# KiCad board Soft_Power_Switch_panelized.kicad_pcb (continued)
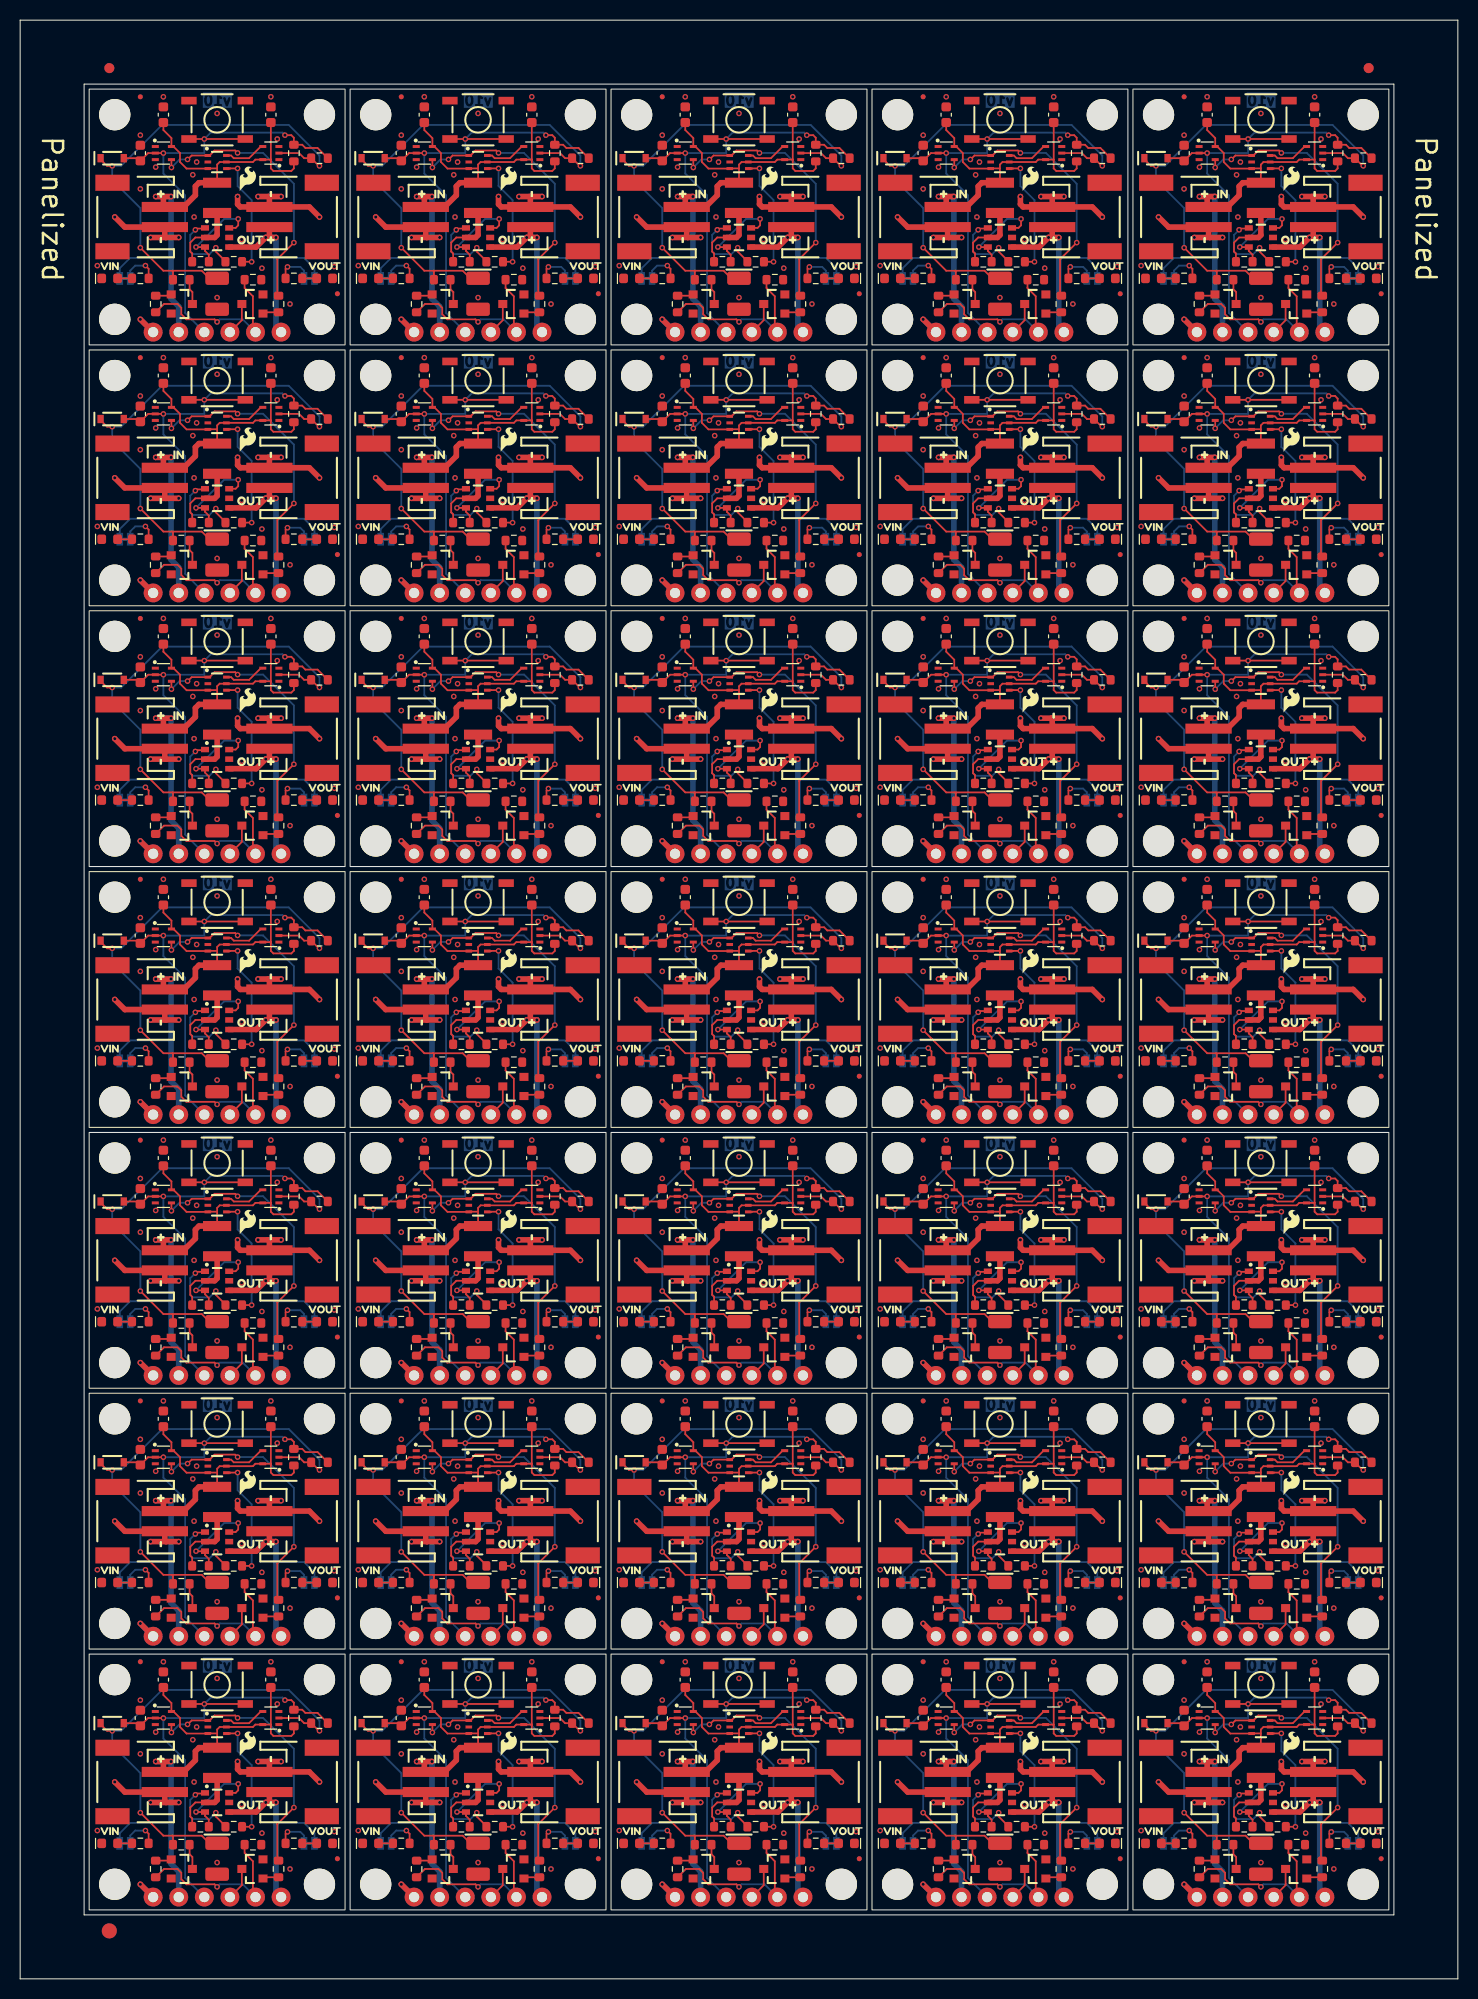
[diagram p0: board, top side]
## Routing (per net, layer and track width the routed paths; a pad name or vN(x,y) marks a point on that pad's centre or on a via; arc(x,y) is an arc through that point) (continued)
BTN: length 1709.9
  Top w0.178: v1(40.12,129.5) U2#35.2 38.6,129.5 C1#26.1 37.56,128.99 D1#4.A ; v1(14.22,129.5) U2#33.2 12.7,129.5 C1#28.1 11.66,128.99 D1#12.A ; v1(52.18,157.18) 52.82,157.18 53.07,156.92 R1#34.2 53.9,156.22 54.21,155.91 55.42,155.91 R2#6.2 ; R2#35.2 29.52,181.81 28.31,181.81 28,182.12 R1#2.2 27.17,182.82 26.92,183.08 v1(26.28,183.08) ; v1(91.92,77.7) U2#9.2 90.41,77.7 C1#22.1 89.36,77.19 D1#7.A ; v1(14.22,51.8) U2#8.2 12.7,51.8 11.93,51.03 11.66,51.29 D1#3.A ; v1(52.18,183.08) 52.82,183.08 53.07,182.82 R1#32.2 53.9,182.12 54.21,181.81 55.42,181.81 R2#10.2 ; v1(66.02,155.4) U2#24.2 64.5,155.4 C1#21.1 63.46,154.89 D1.A ; SW1#4.2 v1(95.98,156.8) SW1#4.2 ; SW1#7.2 v1(44.18,27.3) SW1#7.2 ; 94.46,105 v1(95.98,105) 100.04,105 ; 108.24,103.09 107.22,104.11 106.01,104.11 105.7,104.42 R1#27.2 104.87,105.12 104.62,105.38 v1(103.98,105.38) ; R2#11.2 133.12,78.21 131.91,78.21 131.6,78.53 R1#7.2 130.77,79.22 130.52,79.48 v1(129.88,79.48) ; v1(103.98,131.28) 104.62,131.28 104.87,131.02 104.87,130.32 105.7,130.32 106.01,130.01 107.22,130.01 108.24,128.99 ; R2#5.2 29.52,52.31 28.31,52.31 28,52.62 R1#25.2 27.17,53.32 26.92,53.58 v1(26.28,53.58) ; SW1#12.2 v1(18.28,79.1) SW1#12.2 ; R2#21.2 133.12,155.91 131.91,155.91 131.6,156.22 R1#17.2 130.77,156.92 130.52,157.18 v1(129.88,157.18) ; v1(14.22,181.3) U2#5.2 12.7,181.3 C1#31.1 11.66,180.79 D1#5.A ; v1(52.18,105.38) 52.82,105.38 53.07,105.12 R1#22.2 53.9,104.42 54.21,104.11 55.42,104.11 R2#22.2 ; 108.24,77.19 107.22,78.21 106.01,78.21 105.7,78.53 R1#24.2 104.87,79.22 104.62,79.48 v1(103.98,79.48) ; 48.24,130.9 v1(44.18,130.9) 42.66,130.9 ; SW1#11.2 v1(95.98,27.3) SW1#11.2 ; SW1#15.2 v1(70.08,27.3) SW1#15.2 ; 82.34,154.89 81.32,155.91 80.11,155.91 79.8,156.22 R1#33.2 78.97,156.92 78.72,157.18 v1(78.08,157.18) ; SW1#13.2 v1(70.08,79.1) SW1#13.2 ; v1(117.82,155.4) U2#6.2 116.31,155.4 C1#34.1 115.26,154.89 D1#16.A ; 22.34,105 v1(18.28,105) 16.76,105 ; D1#26.A 63.46,103.09 C1#2.1 64.5,103.6 U2#13.2 v1(66.02,103.6) ; SW1#10.2 v1(95.98,182.7) SW1#10.2 ; D1#2.A 63.46,77.19 C1#24.1 64.5,77.7 U2#19.2 v1(66.02,77.7) ; SW1#5.2 v1(44.18,156.8) SW1#5.2 ; 94.46,130.9 v1(95.98,130.9) 100.04,130.9 ; SW1#32.2 v1(121.88,182.7) SW1#32.2 ; D1#33.A 11.66,103.09 C1#23.1 12.7,103.6 U2#31.2 v1(14.22,103.6) ; D1#29.A 63.46,180.79 C1#15.1 64.5,181.3 U2#16.2 v1(66.02,181.3) ; v1(14.22,155.4) U2#12.2 12.7,155.4 C1#9.1 11.66,154.89 D1#6.A ; v1(91.92,103.6) U2#15.2 90.41,103.6 C1#19.1 89.36,103.09 D1#34.A ; v1(66.02,129.5) U2#21.2 64.5,129.5 C1#35.1 63.46,128.99 D1#22.A ; v1(117.82,25.9) U2#25.2 116.31,25.9 C1#13.1 115.26,25.39 D1#8.A ; D1#24.A 89.36,154.89 C1#16.1 90.41,155.4 U2#23.2 v1(91.92,155.4) ; D1#31.A 37.56,25.39 C1#20.1 38.6,25.9 U2#14.2 v1(40.12,25.9) ; 74.14,130.9 v1(70.08,130.9) 68.56,130.9 ; 125.94,105 v1(121.88,105) 120.36,105 ; v1(78.08,53.58) 78.72,53.58 78.97,53.32 R1#15.2 79.8,52.62 80.11,52.31 81.32,52.31 82.34,51.29 ; 108.24,180.79 107.22,181.81 106.01,181.81 105.7,182.12 R1#5.2 104.87,182.82 104.62,183.08 v1(103.98,183.08) ; v1(78.08,27.68) 78.72,27.68 78.97,27.42 R1#4.2 79.8,26.73 80.11,26.41 81.32,26.41 82.34,25.39 ; v1(26.28,131.28) 26.92,131.28 27.17,131.02 27.17,130.32 28,130.32 28.31,130.01 29.52,130.01 R2.2 ; D1#28.A 37.56,77.19 C1#12.1 38.6,77.7 U2#10.2 v1(40.12,77.7) ; 125.94,130.9 v1(121.88,130.9) 120.36,130.9 ; v1(91.92,181.3) U2#27.2 90.41,181.3 C1#6.1 89.36,180.79 D1#21.A ; v1(40.12,181.3) U2#32.2 38.6,181.3 C1#29.1 37.56,180.79 D1#11.A ; D1#10.A 89.36,128.99 C1#4.1 90.41,129.5 U2#3.2 v1(91.92,129.5) ; D1#14.A 115.26,180.79 C1#5.1 116.31,181.3 U2#20.2 v1(117.82,181.3) ; SW1#29.2 v1(44.18,53.2) SW1#29.2 ; SW1#22.2 v1(44.18,182.7) SW1#22.2 ; v1(26.28,27.68) 26.92,27.68 27.17,27.42 R1#3.2 28,26.73 28.31,26.41 29.52,26.41 R2#7.2 ; v1(40.12,51.8) U2#34.2 38.6,51.8 37.83,51.03 37.56,51.29 D1#19.A ; SW1#14.2 v1(18.28,27.3) SW1#14.2 ; 82.34,128.99 81.32,130.01 80.11,130.01 79.8,130.32 78.97,130.32 78.97,131.02 78.72,131.28 v1(78.08,131.28) ; v1(129.88,131.28) 130.52,131.28 130.77,131.02 130.77,130.32 131.6,130.32 131.91,130.01 133.12,130.01 R2#19.2 ; R2#18.2 29.52,155.91 28.31,155.91 28,156.22 R1#21.2 27.17,156.92 26.92,157.18 v1(26.28,157.18) ; D1#15.A 11.66,77.19 C1#17.1 12.7,77.7 U2#26.2 v1(14.22,77.7) ; v1(78.08,183.08) 78.72,183.08 78.97,182.82 R1#23.2 79.8,182.12 80.11,181.81 81.32,181.81 82.34,180.79 ; D1#23.A 115.26,103.09 C1#14.1 116.31,103.6 U2#22.2 v1(117.82,103.6) ; D1#30.A 63.46,25.39 C1#8.1 64.5,25.9 U2#11.2 v1(66.02,25.9) ; R2#13.2 55.42,52.31 54.21,52.31 53.9,52.62 R1#13.2 53.07,53.32 52.82,53.58 v1(52.18,53.58) ; v1(103.98,157.18) 104.62,157.18 104.87,156.92 R1#14.2 105.7,156.22 106.01,155.91 107.22,155.91 108.24,154.89 ; v1(117.82,51.8) U2#2.2 116.31,51.8 115.53,51.03 115.26,51.29 D1#17.A ; 68.56,105 v1(70.08,105) 74.14,105 ; R2#27.2 29.52,104.11 28.31,104.11 28,104.42 R1#28.2 27.17,105.12 26.92,105.38 v1(26.28,105.38) ; v1(129.88,105.38) 130.52,105.38 130.77,105.12 R1#12.2 131.6,104.42 131.91,104.11 133.12,104.11 R2#12.2 ; v1(78.08,79.48) 78.72,79.48 78.97,79.22 R1#26.2 79.8,78.53 80.11,78.21 81.32,78.21 82.34,77.19 ; R2#34.2 133.12,26.41 131.91,26.41 131.6,26.73 R1#18.2 130.77,27.42 130.52,27.68 v1(129.88,27.68) ; v1(129.88,183.08) 130.52,183.08 130.77,182.82 R1#20.2 131.6,182.12 131.91,181.81 133.12,181.81 R2#23.2 ; D1#20.A 37.56,103.09 C1#33.1 38.6,103.6 U2#17.2 v1(40.12,103.6) ; SW1#20.2 v1(44.18,79.1) SW1#20.2 ; 108.24,25.39 107.22,26.41 106.01,26.41 105.7,26.73 R1#16.2 104.87,27.42 104.62,27.68 v1(103.98,27.68) ; v1(129.88,53.58) 130.52,53.58 130.77,53.32 R1#9.2 131.6,52.62 131.91,52.31 133.12,52.31 R2#17.2 ; D1#9.A 11.66,25.39 C1#27.1 12.7,25.9 U2.2 v1(14.22,25.9) ; R2#26.2 29.52,78.21 28.31,78.21 28,78.53 R1#29.2 27.17,79.22 26.92,79.48 v1(26.28,79.48) ; SW1#18.2 v1(95.98,79.1) SW1#18.2 ; SW1#27.2 v1(121.88,156.8) SW1#27.2 ; SW1#35.2 v1(121.88,79.1) SW1#35.2 ; v1(91.92,51.8) U2#18.2 90.41,51.8 89.63,51.03 89.36,51.29 D1#35.A ; SW1#8.2 v1(18.28,156.8) SW1#8.2 ; R2#25.2 55.42,26.41 54.21,26.41 53.9,26.73 R1#30.2 53.07,27.42 52.82,27.68 v1(52.18,27.68) ; v1(91.92,25.9) U2#7.2 90.41,25.9 C1.1 89.36,25.39 D1#25.A ; SW1#34.2 v1(70.08,156.8) SW1#34.2 ; v1(117.82,77.7) U2#4.2 116.31,77.7 C1#30.1 115.26,77.19 D1#13.A ; SW1#17.2 v1(121.88,53.2) SW1#17.2 ; SW1#21.2 v1(70.08,53.2) SW1#21.2 ; SW1#30.2 v1(70.08,182.7) SW1#30.2 ; D1#27.A 37.56,154.89 C1#7.1 38.6,155.4 U2#29.2 v1(40.12,155.4) ; 82.34,103.09 81.32,104.11 80.11,104.11 79.8,104.42 R1#6.2 78.97,105.12 78.72,105.38 v1(78.08,105.38) ; v1(103.98,53.58) 104.62,53.58 104.87,53.32 R1#10.2 105.7,52.62 106.01,52.31 107.22,52.31 108.24,51.29 ; R2#15.2 55.42,78.21 54.21,78.21 53.9,78.53 R1#35.2 53.07,79.22 52.82,79.48 v1(52.18,79.48) ; 48.24,105 v1(44.18,105) 42.66,105 ; D1#18.A 115.26,128.99 C1#11.1 116.31,129.5 U2#28.2 v1(117.82,129.5) ; SW1#2.2 v1(18.28,182.7) SW1#2.2 ; v1(66.02,51.8) U2#30.2 64.5,51.8 63.73,51.03 63.46,51.29 D1#32.A ; SW1#33.2 v1(121.88,27.3) SW1#33.2 ; 16.76,130.9 v1(18.28,130.9) 22.34,130.9 ; SW1#28.2 v1(95.98,53.2) SW1#28.2 ; R2#28.2 55.42,130.01 54.21,130.01 53.9,130.32 53.07,130.32 53.07,131.02 52.82,131.28 v1(52.18,131.28) ; SW1#24.2 v1(18.28,53.2) SW1#24.2
  Bottom w0.178: v1(129.88,27.68) 129.63,27.93 122.52,27.93 v1(121.88,27.3) 121.88,25.9 v1(117.82,25.9) 117.82,23.87 119.97,21.71 119.97,10.03 J3#8.4 ; v1(26.28,157.18) 26.03,157.43 18.92,157.43 v1(18.28,156.8) 18.28,155.4 v1(14.22,155.4) 14.22,153.37 16.38,151.21 16.38,139.53 J3#15.4 ; v1(103.98,27.68) 103.73,27.93 96.62,27.93 v1(95.98,27.3) 95.98,25.9 v1(91.92,25.9) 91.92,23.87 94.07,21.71 94.07,10.03 J3#18.4 ; J3#7.4 119.97,113.62 119.97,125.31 117.82,127.47 v1(117.82,129.5) 121.88,129.5 v1(121.88,130.9) 122.52,131.53 129.63,131.53 v1(129.88,131.28) ; J3#11.4 42.28,165.43 42.28,177.11 40.12,179.27 v1(40.12,181.3) 44.18,181.3 v1(44.18,182.7) 44.81,183.33 51.93,183.33 v1(52.18,183.08) ; J3#34.4 94.07,61.83 94.07,73.51 91.92,75.67 v1(91.92,77.7) 95.98,77.7 v1(95.98,79.1) 96.62,79.73 103.73,79.73 v1(103.98,79.48) ; J3#29.4 16.38,61.83 16.38,73.51 14.22,75.67 v1(14.22,77.7) 18.28,77.7 v1(18.28,79.1) 18.92,79.73 26.03,79.73 v1(26.28,79.48) ; J3#24.4 42.28,113.62 42.28,125.31 40.12,127.47 v1(40.12,129.5) 44.18,129.5 v1(44.18,130.9) 44.81,131.53 51.93,131.53 v1(52.18,131.28) ; v1(26.28,105.38) 26.03,105.63 18.92,105.63 v1(18.28,105) 18.28,103.6 v1(14.22,103.6) 14.22,101.57 16.38,99.41 16.38,87.72 J3#26.4 ; v1(52.18,105.38) 51.93,105.63 44.81,105.63 v1(44.18,105) 44.18,103.6 v1(40.12,103.6) 40.12,101.57 42.28,99.41 42.28,87.72 J3#21.4 ; J3#6.4 119.97,87.72 119.97,99.41 117.82,101.57 v1(117.82,103.6) 121.88,103.6 v1(121.88,105) 122.52,105.63 129.63,105.63 v1(129.88,105.38) ; J3#31.4 16.38,35.92 16.38,47.61 14.22,49.77 v1(14.22,51.8) 18.28,51.8 v1(18.28,53.2) 18.92,53.83 26.03,53.83 v1(26.28,53.58) ; v1(129.88,183.08) 129.63,183.33 122.52,183.33 v1(121.88,182.7) 121.88,181.3 v1(117.82,181.3) 117.82,179.27 119.97,177.11 119.97,165.43 J3#32.4 ; v1(78.08,27.68) 77.83,27.93 70.72,27.93 v1(70.08,27.3) 70.08,25.9 v1(66.02,25.9) 66.02,23.87 68.18,21.71 68.18,10.03 J3#12.4 ; v1(78.08,131.28) 77.83,131.53 70.72,131.53 v1(70.08,130.9) 70.08,129.5 v1(66.02,129.5) 66.02,127.47 68.18,125.31 68.18,113.62 J3#10.4 ; J3#19.4 94.07,87.72 94.07,99.41 91.92,101.57 v1(91.92,103.6) 95.98,103.6 v1(95.98,105) 96.62,105.63 103.73,105.63 v1(103.98,105.38) ; v1(78.08,105.38) 77.83,105.63 70.72,105.63 v1(70.08,105) 70.08,103.6 v1(66.02,103.6) 66.02,101.57 68.18,99.41 68.18,87.72 J3#14.4 ; v1(129.88,53.58) 129.63,53.83 122.52,53.83 v1(121.88,53.2) 121.88,51.8 v1(117.82,51.8) 117.82,49.77 119.97,47.61 119.97,35.92 J3#27.4 ; v1(26.28,131.28) 26.03,131.53 18.92,131.53 v1(18.28,130.9) 18.28,129.5 v1(14.22,129.5) 14.22,127.47 16.38,125.31 16.38,113.62 J3#33.4 ; J3#2.4 16.38,10.03 16.38,21.71 14.22,23.87 v1(14.22,25.9) 18.28,25.9 v1(18.28,27.3) 18.92,27.93 26.03,27.93 v1(26.28,27.68) ; J3#9.4 68.18,35.92 68.18,47.61 66.02,49.77 v1(66.02,51.8) 70.08,51.8 v1(70.08,53.2) 70.72,53.83 77.83,53.83 v1(78.08,53.58) ; J3#3.4 42.28,35.92 42.28,47.61 40.12,49.77 v1(40.12,51.8) 44.18,51.8 v1(44.18,53.2) 44.81,53.83 51.93,53.83 v1(52.18,53.58) ; J3#23.4 42.28,139.53 42.28,151.21 40.12,153.37 v1(40.12,155.4) 44.18,155.4 v1(44.18,156.8) 44.81,157.43 51.93,157.43 v1(52.18,157.18) ; J3#25.4 119.97,61.83 119.97,73.51 117.82,75.67 v1(117.82,77.7) 121.88,77.7 v1(121.88,79.1) 122.52,79.73 129.63,79.73 v1(129.88,79.48) ; v1(103.98,53.58) 103.73,53.83 96.62,53.83 v1(95.98,53.2) 95.98,51.8 v1(91.92,51.8) 91.92,49.77 94.07,47.61 94.07,35.92 J3#13.4 ; J3#28.4 16.38,165.43 16.38,177.11 14.22,179.27 v1(14.22,181.3) 18.28,181.3 v1(18.28,182.7) 18.92,183.33 26.03,183.33 v1(26.28,183.08) ; J3#35.4 94.07,165.43 94.07,177.11 91.92,179.27 v1(91.92,181.3) 95.98,181.3 v1(95.98,182.7) 96.62,183.33 103.73,183.33 v1(103.98,183.08) ; J3#16.4 94.07,139.53 94.07,151.21 91.92,153.37 v1(91.92,155.4) 95.98,155.4 v1(95.98,156.8) 96.62,157.43 103.73,157.43 v1(103.98,157.18) ; v1(52.18,79.48) 51.93,79.73 44.81,79.73 v1(44.18,79.1) 44.18,77.7 v1(40.12,77.7) 40.12,75.67 42.28,73.51 42.28,61.83 J3#30.4 ; v1(129.88,157.18) 129.63,157.43 122.52,157.43 v1(121.88,156.8) 121.88,155.4 v1(117.82,155.4) 117.82,153.37 119.97,151.21 119.97,139.53 J3#5.4 ; J3#20.4 68.18,139.53 68.18,151.21 66.02,153.37 v1(66.02,155.4) 70.08,155.4 v1(70.08,156.8) 70.72,157.43 77.83,157.43 v1(78.08,157.18) ; v1(78.08,79.48) 77.83,79.73 70.72,79.73 v1(70.08,79.1) 70.08,77.7 v1(66.02,77.7) 66.02,75.67 68.18,73.51 68.18,61.83 J3#22.4 ; J3#4.4 94.07,113.62 94.07,125.31 91.92,127.47 v1(91.92,129.5) 95.98,129.5 v1(95.98,130.9) 96.62,131.53 103.73,131.53 v1(103.98,131.28) ; J3#17.4 42.28,10.03 42.28,21.71 40.12,23.87 v1(40.12,25.9) 44.18,25.9 v1(44.18,27.3) 44.81,27.93 51.93,27.93 v1(52.18,27.68) ; J3.4 68.18,165.43 68.18,177.11 66.02,179.27 v1(66.02,181.3) 70.08,181.3 v1(70.08,182.7) 70.72,183.33 77.83,183.33 v1(78.08,183.08)
EN: length 417.2
  Top w0.178: U4#32.4 98.53,127.96 98.55,127.98 v1(99.28,127.98) ; R9#10.2 v1(22.98,144.6) ; R9#15.2 v1(22.98,118.7) ; R9#30.2 v1(100.68,15.11) ; U4#22.4 46.74,127.96 46.75,127.98 v1(47.48,127.98) ; R9#23.2 v1(48.88,66.91) ; R9#6.2 v1(22.98,66.91) ; v1(21.58,179.78) 20.85,179.78 20.84,179.76 U4#30.4 ; R9#12.2 v1(74.78,15.11) ; U4#23.4 98.53,102.06 98.55,102.08 v1(99.28,102.08) ; 20.47,24.36 20.84,24.36 20.85,24.38 v1(21.58,24.38) ; U4#13.4 20.84,102.06 20.85,102.08 v1(21.58,102.08) ; R9#5.2 v1(48.88,41) ; U4#11.4 46.74,153.86 46.75,153.88 v1(47.48,153.88) ; U4#3.4 98.53,179.76 98.55,179.78 v1(99.28,179.78) ; R9#25.2 v1(22.98,15.11) ; U4#16.4 72.63,76.16 72.65,76.18 v1(73.38,76.18) ; R9#18.2 v1(126.58,170.5) ; U4#18.4 98.53,50.26 98.55,50.28 v1(99.28,50.28) ; U4#9.4 46.74,102.06 46.75,102.08 v1(47.48,102.08) ; R9#27.2 v1(100.68,170.5) ; v1(73.38,127.98) 72.65,127.98 72.63,127.96 U4#27.4 ; v1(47.48,179.78) 46.75,179.78 46.74,179.76 U4#31.4 ; R9#28.2 v1(48.88,15.11) ; R9#11.2 v1(74.78,118.7) ; v1(73.38,153.88) 72.65,153.88 72.63,153.86 U4#28.4 ; v1(47.48,24.38) 46.75,24.38 46.74,24.36 46.37,24.36 ; R9#29.2 v1(22.98,170.5) ; R9#20.2 v1(74.78,144.6) ; U4#17.4 46.74,50.26 46.75,50.28 v1(47.48,50.28) ; v1(21.58,127.98) 20.85,127.98 20.84,127.96 U4#20.4 ; U4.4 72.63,50.26 72.65,50.28 v1(73.38,50.28) ; R9#16.2 v1(48.88,92.81) ; U4#6.4 72.63,179.76 72.65,179.78 v1(73.38,179.78) ; v1(125.18,76.18) 124.45,76.18 124.44,76.16 U4#7.4 ; U4#21.4 124.44,127.96 124.45,127.98 v1(125.18,127.98) ; v1(47.48,76.18) 46.75,76.18 46.74,76.16 U4#26.4 ; U4#10.4 20.84,76.16 20.85,76.18 v1(21.58,76.18) ; R9#8.2 v1(100.68,118.7) ; U4#19.4 98.53,153.86 98.55,153.88 v1(99.28,153.88) ; R9#35.2 v1(48.88,144.6) ; 98.17,24.36 98.53,24.36 98.55,24.38 v1(99.28,24.38) ; v1(125.18,50.28) 124.45,50.28 124.44,50.26 U4#2.4 ; 124.07,24.36 124.44,24.36 124.45,24.38 v1(125.18,24.38) ; R9#21.2 v1(100.68,41) ; R9#33.2 v1(48.88,170.5) ; R9#13.2 v1(126.58,41) ; R9#26.2 v1(100.68,66.91) ; R9#9.2 v1(22.98,41) ; R9#7.2 v1(74.78,41) ; v1(21.58,153.88) 20.85,153.88 20.84,153.86 U4#15.4 ; R9.2 v1(48.88,118.7) ; R9#31.2 v1(126.58,92.81) ; R9#19.2 v1(126.58,15.11) ; v1(99.28,76.18) 98.55,76.18 98.53,76.16 U4#33.4 ; R9#4.2 v1(22.98,92.81) ; v1(125.18,102.08) 124.45,102.08 124.44,102.06 U4#4.4 ; R9#3.2 v1(100.68,144.6) ; v1(73.38,24.38) 72.65,24.38 72.63,24.36 72.27,24.36 ; R9#32.2 v1(126.58,118.7) ; R9#17.2 v1(100.68,92.81) ; R9#14.2 v1(74.78,66.91) ; v1(125.18,179.78) 124.45,179.78 124.44,179.76 U4#35.4 ; R9#2.2 v1(126.58,66.91) ; v1(125.18,153.88) 124.45,153.88 124.44,153.86 U4#12.4 ; U4#25.4 20.84,50.26 20.85,50.28 v1(21.58,50.28) ; U4#34.4 72.63,102.06 72.65,102.08 v1(73.38,102.08) ; R9#24.2 v1(74.78,170.5) ; R9#22.2 v1(126.58,144.6) ; R9#34.2 v1(74.78,92.81)
  Bottom w0.178: v1(125.18,50.28) 125.18,48.52 126.58,47.13 v1(126.58,41) ; v1(99.28,76.18) 99.28,74.42 100.68,73.03 v1(100.68,66.91) ; v1(73.38,127.98) 73.38,126.22 74.78,124.83 v1(74.78,118.7) ; v1(74.78,144.6) 74.78,150.73 73.38,152.12 v1(73.38,153.88) ; v1(22.98,15.11) 22.98,21.23 21.58,22.62 v1(21.58,24.38) ; v1(99.28,153.88) 99.28,152.12 100.68,150.73 v1(100.68,144.6) ; v1(22.98,118.7) 22.98,124.83 21.58,126.22 v1(21.58,127.98) ; v1(100.68,41) 100.68,47.13 99.28,48.52 v1(99.28,50.28) ; v1(126.58,144.6) 126.58,150.73 125.18,152.12 v1(125.18,153.88) ; v1(21.58,102.08) 21.58,100.32 22.98,98.93 v1(22.98,92.81) ; v1(48.88,92.81) 48.88,98.93 47.48,100.32 v1(47.48,102.08) ; v1(125.18,76.18) 125.18,74.42 126.58,73.03 v1(126.58,66.91) ; v1(48.88,170.5) 48.88,176.63 47.48,178.02 v1(47.48,179.78) ; v1(73.38,179.78) 73.38,178.02 74.78,176.63 v1(74.78,170.5) ; v1(126.58,170.5) 126.58,176.63 125.18,178.02 v1(125.18,179.78) ; v1(74.78,92.81) 74.78,98.93 73.38,100.32 v1(73.38,102.08) ; v1(47.48,50.28) 47.48,48.52 48.88,47.13 v1(48.88,41) ; v1(22.98,66.91) 22.98,73.03 21.58,74.42 v1(21.58,76.18) ; v1(100.68,15.11) 100.68,21.23 99.28,22.62 v1(99.28,24.38) ; v1(126.58,15.11) 126.58,21.23 125.18,22.62 v1(125.18,24.38) ; v1(99.28,102.08) 99.28,100.32 100.68,98.93 v1(100.68,92.81) ; v1(47.48,76.18) 47.48,74.42 48.88,73.03 v1(48.88,66.91) ; v1(74.78,41) 74.78,47.13 73.38,48.52 v1(73.38,50.28) ; v1(100.68,170.5) 100.68,176.63 99.28,178.02 v1(99.28,179.78) ; v1(73.38,76.18) 73.38,74.42 74.78,73.03 v1(74.78,66.91) ; v1(126.58,92.81) 126.58,98.93 125.18,100.32 v1(125.18,102.08) ; v1(126.58,118.7) 126.58,124.83 125.18,126.22 v1(125.18,127.98) ; v1(100.68,118.7) 100.68,124.83 99.28,126.22 v1(99.28,127.98) ; v1(22.98,144.6) 22.98,150.73 21.58,152.12 v1(21.58,153.88) ; v1(21.58,179.78) 21.58,178.02 22.98,176.63 v1(22.98,170.5) ; v1(48.88,144.6) 48.88,150.73 47.48,152.12 v1(47.48,153.88) ; v1(48.88,15.11) 48.88,21.23 47.48,22.62 v1(47.48,24.38) ; v1(47.48,127.98) 47.48,126.22 48.88,124.83 v1(48.88,118.7) ; v1(22.98,41) 22.98,47.13 21.58,48.52 v1(21.58,50.28) ; v1(73.38,24.38) 73.38,22.62 74.78,21.23 v1(74.78,15.11)
OFF: length 617.4
  Top w0.178: R6#9.2 117.88,62.71 119.21,62.71 119.59,62.33 119.59,61.7 120.1,61.19 122.9,61.19 v1(123.15,60.94) ; R7#29.1 22.28,116.1 23.11,115.28 23.11,112.36 23.36,112.1 J3#33.2 ; J3#8.2 126.96,8.5 126.71,8.75 126.71,11.68 125.88,12.5 R7#25.1 ; 99.98,91.03 99.98,90.2 100.81,89.38 100.81,86.46 101.06,86.2 J3#19.2 ; J3#28.2 23.36,163.9 23.11,164.16 23.11,167.08 22.28,167.9 R7#18.1 ; J3#18.2 101.06,8.5 100.81,8.75 100.81,11.68 99.98,12.5 99.98,13.33 ; 117.05,165.49 117.88,166.31 119.21,166.31 119.59,165.93 119.59,165.3 120.1,164.79 122.9,164.79 v1(123.15,164.54) ; v1(71.35,112.74) 71.1,112.99 68.3,112.99 67.79,113.5 67.79,114.13 67.41,114.51 66.08,114.51 R6.2 ; 74.08,39.23 74.08,38.4 74.91,37.58 74.91,34.66 75.16,34.4 J3#9.2 ; J3#7.2 126.96,112.1 126.71,112.36 126.71,115.28 125.88,116.1 R7#3.1 ; v1(123.15,86.84) 122.9,87.09 120.1,87.09 119.59,87.6 119.59,88.23 119.21,88.61 117.88,88.61 R6#30.2 ; v1(45.45,9.14) 45.2,9.39 42.4,9.39 41.89,9.9 41.89,10.53 41.51,10.91 40.18,10.91 R6#8.2 ; R6#31.2 66.08,88.61 67.41,88.61 67.79,88.23 67.79,87.6 68.3,87.09 71.1,87.09 v1(71.35,86.84) ; J3#20.2 75.16,138 74.91,138.25 74.91,141.18 74.08,142 74.08,142.83 ; J3#10.2 75.16,112.1 74.91,112.36 74.91,115.28 74.08,116.1 74.08,116.93 ; J3#22.2 75.16,60.3 74.91,60.56 74.91,63.48 74.08,64.3 74.08,65.13 ; J3#21.2 49.26,86.2 49.01,86.46 49.01,89.38 48.18,90.2 R7#20.1 ; v1(45.45,138.64) 45.2,138.89 42.4,138.89 41.89,139.4 41.89,140.03 41.51,140.41 40.18,140.41 R6#13.2 ; J3#34.2 101.06,60.3 100.81,60.56 100.81,63.48 99.98,64.3 99.98,65.13 ; J3#31.2 23.36,34.4 23.11,34.66 23.11,37.58 22.28,38.4 R7#27.1 ; R7#2.1 22.28,90.2 23.11,89.38 23.11,86.46 23.36,86.2 J3#26.2 ; R7#14.1 125.88,167.9 126.71,167.08 126.71,164.16 126.96,163.9 J3#32.2 ; J3#4.2 101.06,112.1 100.81,112.36 100.81,115.28 99.98,116.1 99.98,116.93 ; R6#7.2 66.08,62.71 67.41,62.71 67.79,62.33 67.79,61.7 68.3,61.19 71.1,61.19 v1(71.35,60.94) ; R6#21.2 91.98,114.51 93.31,114.51 93.69,114.13 93.69,113.5 94.2,112.99 97,112.99 v1(97.25,112.74) ; J3#29.2 23.36,60.3 23.11,60.56 23.11,63.48 22.28,64.3 R7#32.1 ; R6#2.2 14.28,88.61 15.61,88.61 15.99,88.23 15.99,87.6 16.5,87.09 19.3,87.09 v1(19.55,86.84) ; J3#23.2 49.26,138 49.01,138.25 49.01,141.18 48.18,142 R7#30.1 ; R7#16.1 125.88,142 126.71,141.18 126.71,138.25 126.96,138 J3#5.2 ; J3#15.2 23.36,138 23.11,138.25 23.11,141.18 22.28,142 R7#15.1 ; J3#27.2 126.96,34.4 126.71,34.66 126.71,37.58 125.88,38.4 R7#21.1 ; v1(19.55,138.64) 19.3,138.89 16.5,138.89 15.99,139.4 15.99,140.03 15.61,140.41 14.28,140.41 R6#26.2 ; R6#5.2 91.98,62.71 93.31,62.71 93.69,62.33 93.69,61.7 94.2,61.19 97,61.19 v1(97.25,60.94) ; v1(71.35,9.14) 71.1,9.39 68.3,9.39 67.79,9.9 67.79,10.53 67.41,10.91 66.08,10.91 R6#3.2 ; R6#16.2 66.08,36.81 67.41,36.81 67.79,36.43 67.79,35.8 68.3,35.29 71.1,35.29 v1(71.35,35.04) ; R7#31.1 48.18,12.5 49.01,11.68 49.01,8.75 49.26,8.5 J3#17.2 ; 91.15,165.49 91.98,166.31 93.31,166.31 93.69,165.93 93.69,165.3 94.2,164.79 97,164.79 v1(97.25,164.54) ; R6#28.2 14.28,62.71 15.61,62.71 15.99,62.33 15.99,61.7 16.5,61.19 19.3,61.19 v1(19.55,60.94) ; v1(45.45,35.04) 45.2,35.29 42.4,35.29 41.89,35.8 41.89,36.43 41.51,36.81 40.18,36.81 R6#10.2 ; v1(45.45,86.84) 45.2,87.09 42.4,87.09 41.89,87.6 41.89,88.23 41.51,88.61 40.18,88.61 R6#17.2 ; v1(97.25,138.64) 97,138.89 94.2,138.89 93.69,139.4 93.69,140.03 93.31,140.41 91.98,140.41 R6#24.2 ; v1(19.55,112.74) 19.3,112.99 16.5,112.99 15.99,113.5 15.99,114.13 15.61,114.51 14.28,114.51 R6#12.2 ; J3#30.2 49.26,60.3 49.01,60.56 49.01,63.48 48.18,64.3 R7#35.1 ; J3#2.2 23.36,8.5 23.11,8.75 23.11,11.68 22.28,12.5 R7#24.1 ; R7#11.1 48.18,167.9 49.01,167.08 49.01,164.16 49.26,163.9 J3#11.2 ; R6#4.2 14.28,36.81 15.61,36.81 15.99,36.43 15.99,35.8 16.5,35.29 19.3,35.29 v1(19.55,35.04) ; J3#14.2 75.16,86.2 74.91,86.46 74.91,89.38 74.08,90.2 74.08,91.03 ; R7#8.1 48.18,38.4 49.01,37.58 49.01,34.66 49.26,34.4 J3#3.2 ; 99.98,39.23 99.98,38.4 100.81,37.58 100.81,34.66 101.06,34.4 J3#13.2 ; v1(123.15,35.04) 122.9,35.29 120.1,35.29 119.59,35.8 119.59,36.43 119.21,36.81 117.88,36.81 R6#34.2 ; v1(97.25,86.84) 97,87.09 94.2,87.09 93.69,87.6 93.69,88.23 93.31,88.61 91.98,88.61 R6#23.2 ; R6#25.2 14.28,10.91 15.61,10.91 15.99,10.53 15.99,9.9 16.5,9.39 19.3,9.39 v1(19.55,9.14) ; R6#11.2 91.98,10.91 93.31,10.91 93.69,10.53 93.69,9.9 94.2,9.39 97,9.39 v1(97.25,9.14) ; 99.98,168.73 99.98,167.9 100.81,167.08 100.81,164.16 101.06,163.9 J3#35.2 ; R6#27.2 117.88,114.51 119.21,114.51 119.59,114.13 119.59,113.5 120.1,112.99 122.9,112.99 v1(123.15,112.74) ; v1(123.15,138.64) 122.9,138.89 120.1,138.89 119.59,139.4 119.59,140.03 119.21,140.41 117.88,140.41 R6#33.2 ; v1(123.15,9.14) 122.9,9.39 120.1,9.39 119.59,9.9 119.59,10.53 119.21,10.91 117.88,10.91 R6#15.2 ; J3#16.2 101.06,138 100.81,138.25 100.81,141.18 99.98,142 99.98,142.83 ; R6#22.2 91.98,36.81 93.31,36.81 93.69,36.43 93.69,35.8 94.2,35.29 97,35.29 v1(97.25,35.04) ; R7#33.1 125.88,90.2 126.71,89.38 126.71,86.46 126.96,86.2 J3#6.2 ; v1(45.45,112.74) 45.2,112.99 42.4,112.99 41.89,113.5 41.89,114.13 41.51,114.51 40.18,114.51 R6#14.2 ; v1(71.35,138.64) 71.1,138.89 68.3,138.89 67.79,139.4 67.79,140.03 67.41,140.41 66.08,140.41 R6#6.2 ; v1(45.45,164.54) 45.2,164.79 42.4,164.79 41.89,165.3 41.89,165.93 41.51,166.31 40.18,166.31 39.35,165.49 ; R7#19.1 48.18,116.1 49.01,115.28 49.01,112.36 49.26,112.1 J3#24.2 ; R7#22.1 125.88,64.3 126.71,63.48 126.71,60.56 126.96,60.3 J3#25.2 ; v1(19.55,164.54) 19.3,164.79 16.5,164.79 15.99,165.3 15.99,165.93 15.61,166.31 14.28,166.31 13.45,165.49 ; R6#29.2 40.18,62.71 41.51,62.71 41.89,62.33 41.89,61.7 42.4,61.19 45.2,61.19 v1(45.45,60.94) ; J3.2 75.16,163.9 74.91,164.16 74.91,167.08 74.08,167.9 74.08,168.73 ; 65.25,165.49 66.08,166.31 67.41,166.31 67.79,165.93 67.79,165.3 68.3,164.79 71.1,164.79 v1(71.35,164.54) ; J3#12.2 75.16,8.5 74.91,8.75 74.91,11.68 74.08,12.5 74.08,13.33
  Bottom w0.178: v1(123.15,9.14) 123.4,9.39 125.69,9.39 J3#8.2 ; v1(123.15,112.74) 123.4,112.99 125.69,112.99 J3#7.2 ; J3#6.2 125.69,87.09 123.4,87.09 v1(123.15,86.84) ; J3#27.2 125.69,35.29 123.4,35.29 v1(123.15,35.04) ; v1(19.55,60.94) 19.8,61.19 22.09,61.19 J3#29.2 ; J3#4.2 99.79,112.99 97.5,112.99 v1(97.25,112.74) ; v1(19.55,138.64) 19.8,138.89 22.09,138.89 J3#15.2 ; J3#26.2 22.09,87.09 19.8,87.09 v1(19.55,86.84) ; v1(45.45,164.54) 45.7,164.79 47.99,164.79 J3#11.2 ; J3#35.2 99.79,164.79 97.5,164.79 v1(97.25,164.54) ; J3#20.2 73.89,138.89 71.6,138.89 v1(71.35,138.64) ; v1(45.45,60.94) 45.7,61.19 47.99,61.19 J3#30.2 ; J3#28.2 22.09,164.79 19.8,164.79 v1(19.55,164.54) ; v1(71.35,9.14) 71.6,9.39 73.89,9.39 J3#12.2 ; J3#14.2 73.89,87.09 71.6,87.09 v1(71.35,86.84) ; v1(123.15,60.94) 123.4,61.19 125.69,61.19 J3#25.2 ; v1(71.35,35.04) 71.6,35.29 73.89,35.29 J3#9.2 ; v1(97.25,60.94) 97.5,61.19 99.79,61.19 J3#34.2 ; v1(71.35,164.54) 71.6,164.79 73.89,164.79 J3.2 ; v1(97.25,35.04) 97.5,35.29 99.79,35.29 J3#13.2 ; J3#23.2 47.99,138.89 45.7,138.89 v1(45.45,138.64) ; J3#5.2 125.69,138.89 123.4,138.89 v1(123.15,138.64) ; J3#33.2 22.09,112.99 19.8,112.99 v1(19.55,112.74) ; v1(45.45,35.04) 45.7,35.29 47.99,35.29 J3#3.2 ; J3#19.2 99.79,87.09 97.5,87.09 v1(97.25,86.84) ; J3#2.2 22.09,9.39 19.8,9.39 v1(19.55,9.14) ; J3#31.2 22.09,35.29 19.8,35.29 v1(19.55,35.04) ; J3#10.2 73.89,112.99 71.6,112.99 v1(71.35,112.74) ; J3#16.2 99.79,138.89 97.5,138.89 v1(97.25,138.64) ; J3#21.2 47.99,87.09 45.7,87.09 v1(45.45,86.84) ; v1(71.35,60.94) 71.6,61.19 73.89,61.19 J3#22.2 ; v1(45.45,112.74) 45.7,112.99 47.99,112.99 J3#24.2 ; J3#17.2 47.99,9.39 45.7,9.39 v1(45.45,9.14) ; J3#18.2 99.79,9.39 97.5,9.39 v1(97.25,9.14) ; v1(123.15,164.54) 123.4,164.79 125.69,164.79 J3#32.2
PUSH: length 115
  Top w0.178: J3#6.3 125.61,87.01 Q2#7.3 ; J3#3.3 47.91,35.21 Q2#29.3 ; J3#31.3 22.01,35.21 Q2#26.3 ; J3#32.3 125.61,164.71 Q2#22.3 ; Q2#25.3 47.91,61.11 J3#30.3 ; Q2#14.3 125.61,61.11 J3#25.3 ; J3#26.3 22.01,87.01 Q2#28.3 ; Q2#12.3 99.71,112.91 J3#4.3 ; J3#10.3 73.81,112.91 Q2#13.3 ; J3#20.3 73.81,138.81 Q2#16.3 ; Q2#6.3 73.81,35.21 J3#9.3 ; J3#23.3 47.91,138.81 Q2#8.3 ; Q2#9.3 99.71,164.71 J3#35.3 ; Q2#20.3 125.61,112.91 J3#7.3 ; Q2#31.3 125.61,9.31 J3#8.3 ; J3.3 73.81,164.71 Q2#21.3 ; Q2#33.3 22.01,9.31 J3#2.3 ; J3#22.3 73.81,61.11 Q2#24.3 ; Q2#23.3 73.81,87.01 J3#14.3 ; Q2#4.3 99.71,9.31 J3#18.3 ; J3#33.3 22.01,112.91 Q2#27.3 ; J3#11.3 47.91,164.71 Q2#15.3 ; Q2.3 125.61,35.21 J3#27.3 ; Q2#34.3 47.91,9.31 J3#17.3 ; J3#5.3 125.61,138.81 Q2#11.3 ; J3#29.3 22.01,61.11 Q2#18.3 ; J3#24.3 47.91,112.91 Q2#30.3 ; J3#19.3 99.71,87.01 Q2#5.3 ; Q2#17.3 47.91,87.01 J3#21.3 ; Q2#3.3 22.01,138.81 J3#15.3 ; Q2#19.3 99.71,35.21 J3#13.3 ; Q2#35.3 99.71,138.81 J3#16.3 ; Q2#10.3 22.01,164.71 J3#28.3 ; Q2#2.3 73.81,9.31 J3#12.3 ; J3#34.3 99.71,61.11 Q2#32.3
VOUT: length 768
  Top w0.559: 102.44,95.22 v1(102.08,95.22) 101.13,94.27 Q3#27.4 ; 102.44,95.22 v1(103.09,95.22) ; 102.44,95.22 J2#29.2 ; 50.64,95.22 J2#16.2 ; 50.64,95.22 v1(51.29,95.22) ; 50.64,95.22 v1(50.28,95.22) 49.33,94.27 Q3#22.4 ; v1(77.19,43.42) 76.54,43.42 ; 76.54,43.42 v1(76.18,43.42) 75.23,42.47 Q3#14.4 ; 76.54,43.42 J2#30.2 ; 128.34,95.22 J2#10.2 ; 128.34,95.22 v1(128.99,95.22) ; 128.34,95.22 v1(127.98,95.22) 127.03,94.27 Q3#12.4 ; 102.44,69.32 v1(102.08,69.32) 101.13,68.37 Q3#34.4 ; 102.44,69.32 J2#28.2 ; 102.44,69.32 v1(103.09,69.32) ; Q3#30.4 101.13,171.97 v1(102.08,172.92) 102.44,172.92 ; Q3#23.4 75.23,146.07 v1(76.18,147.02) 76.54,147.02 ; 128.34,147.02 v1(127.98,147.02) 127.03,146.07 Q3#25.4 ; 128.34,147.02 v1(128.99,147.02) ; 128.34,147.02 J2#17.2 ; Q3#31.4 49.33,16.57 v1(50.28,17.52) 50.64,17.52 ; Q3#32.4 49.33,42.47 v1(50.28,43.42) 50.64,43.42 ; Q3#13.4 49.33,171.97 v1(50.28,172.92) 50.64,172.92 ; v1(51.29,147.02) 50.64,147.02 ; 50.64,147.02 v1(50.28,147.02) 49.33,146.07 Q3#7.4 ; 50.64,147.02 J2#13.2 ; Q3#3.4 127.03,171.97 v1(127.98,172.92) 128.34,172.92 ; 102.44,147.02 v1(102.08,147.02) 101.13,146.07 Q3#8.4 ; 102.44,147.02 J2#18.2 ; 102.44,147.02 v1(103.09,147.02) ; v1(103.09,121.12) 102.44,121.12 ; 102.44,121.12 J2#27.2 ; 102.44,121.12 v1(102.08,121.12) 101.13,120.17 Q3#18.4 ; 128.34,69.32 J2#6.2 ; 128.34,69.32 v1(127.98,69.32) 127.03,68.37 Q3#21.4 ; 128.34,69.32 v1(128.99,69.32) ; 24.74,17.52 v1(24.38,17.52) 23.43,16.57 Q3.4 ; 24.74,17.52 J2#26.2 ; 24.74,17.52 v1(25.39,17.52) ; 50.64,43.42 J2#35.2 ; 50.64,43.42 v1(51.29,43.42) ; 24.74,43.42 J2#5.2 ; 24.74,43.42 v1(25.39,43.42) ; 24.74,43.42 v1(24.38,43.42) 23.43,42.47 Q3#35.4 ; 50.64,172.92 J2#33.2 ; 50.64,172.92 v1(51.29,172.92) ; 24.74,172.92 J2#15.2 ; 24.74,172.92 v1(25.39,172.92) ; 24.74,172.92 v1(24.38,172.92) 23.43,171.97 Q3#24.4 ; Q3#16.4 75.23,68.37 v1(76.18,69.32) 76.54,69.32 ; v1(128.99,17.52) 128.34,17.52 ; 128.34,17.52 v1(127.98,17.52) 127.03,16.57 Q3#9.4 ; 128.34,17.52 J2#7.2 ; Q3#2.4 101.13,16.57 v1(102.08,17.52) 102.44,17.52 ; v1(77.19,17.52) 76.54,17.52 ; 76.54,17.52 v1(76.18,17.52) 75.23,16.57 Q3#33.4 ; 76.54,17.52 J2#20.2 ; 76.54,95.22 v1(76.18,95.22) 75.23,94.27 Q3#29.4 ; 76.54,95.22 v1(77.19,95.22) ; 76.54,95.22 J2#2.2 ; 50.64,69.32 J2.2 ; 50.64,69.32 v1(51.29,69.32) ; 50.64,69.32 v1(50.28,69.32) 49.33,68.37 Q3#19.4 ; 76.54,121.12 J2#11.2 ; 76.54,121.12 v1(77.19,121.12) ; 76.54,121.12 v1(76.18,121.12) 75.23,120.17 Q3#10.4 ; v1(51.29,17.52) 50.64,17.52 ; 50.64,17.52 J2#19.2 ; 102.44,43.42 v1(102.08,43.42) 101.13,42.47 Q3#11.4 ; 102.44,43.42 v1(103.09,43.42) ; 102.44,43.42 J2#23.2 ; 24.74,121.12 J2#21.2 ; 24.74,121.12 v1(24.38,121.12) 23.43,120.17 Q3#17.4 ; 24.74,121.12 v1(25.39,121.12) ; 102.44,17.52 J2#34.2 ; 102.44,17.52 v1(103.09,17.52) ; 76.54,172.92 J2#25.2 ; 76.54,172.92 v1(76.18,172.92) 75.23,171.97 Q3#15.4 ; 76.54,172.92 v1(77.19,172.92) ; v1(103.09,172.92) 102.44,172.92 ; 102.44,172.92 J2#14.2 ; 24.74,69.32 J2#32.2 ; 24.74,69.32 v1(24.38,69.32) 23.43,68.37 Q3#20.4 ; 24.74,69.32 v1(25.39,69.32) ; 128.34,43.42 v1(127.98,43.42) 127.03,42.47 Q3#28.4 ; 128.34,43.42 v1(128.99,43.42) ; 128.34,43.42 J2#8.2 ; Q3#6.4 49.33,120.17 v1(50.28,121.12) 50.64,121.12 ; 128.34,172.92 v1(128.99,172.92) ; 128.34,172.92 J2#24.2 ; 24.74,147.02 v1(24.38,147.02) 23.43,146.07 Q3#26.4 ; 24.74,147.02 J2#22.2 ; 24.74,147.02 v1(25.39,147.02) ; 50.64,121.12 J2#31.2 ; 50.64,121.12 v1(51.29,121.12) ; 76.54,69.32 J2#12.2 ; 76.54,69.32 v1(77.19,69.32) ; v1(77.19,147.02) 76.54,147.02 ; 76.54,147.02 J2#3.2 ; Q3#4.4 23.43,94.27 v1(24.38,95.22) 24.74,95.22 ; Q3#5.4 127.03,120.17 v1(127.98,121.12) 128.34,121.12 ; 24.74,95.22 J2#9.2 ; 24.74,95.22 v1(25.39,95.22) ; v1(128.99,121.12) 128.34,121.12 ; 128.34,121.12 J2#4.2